# Altium PCB ALCT_MEZ_SPARTAN6T.PcbDoc (part 11 of 12)
Units mil, origin at the board's own origin, x right, y up, seen from the top; angles counter-clockwise.
Board outline 4100 x 5351.19 mil, 12 copper layers (Top Layer, Mid-Layer 1, +3V3, Mid-Layer 2, +1V2, Mid-Layer 4, +1V8, Mid-Layer 5, GND1, Mid-Layer 7, GND2, Bottom Layer), stack 64.7 mil thick; 320 components, 598 nets, 2316 pads, 1572 vias.
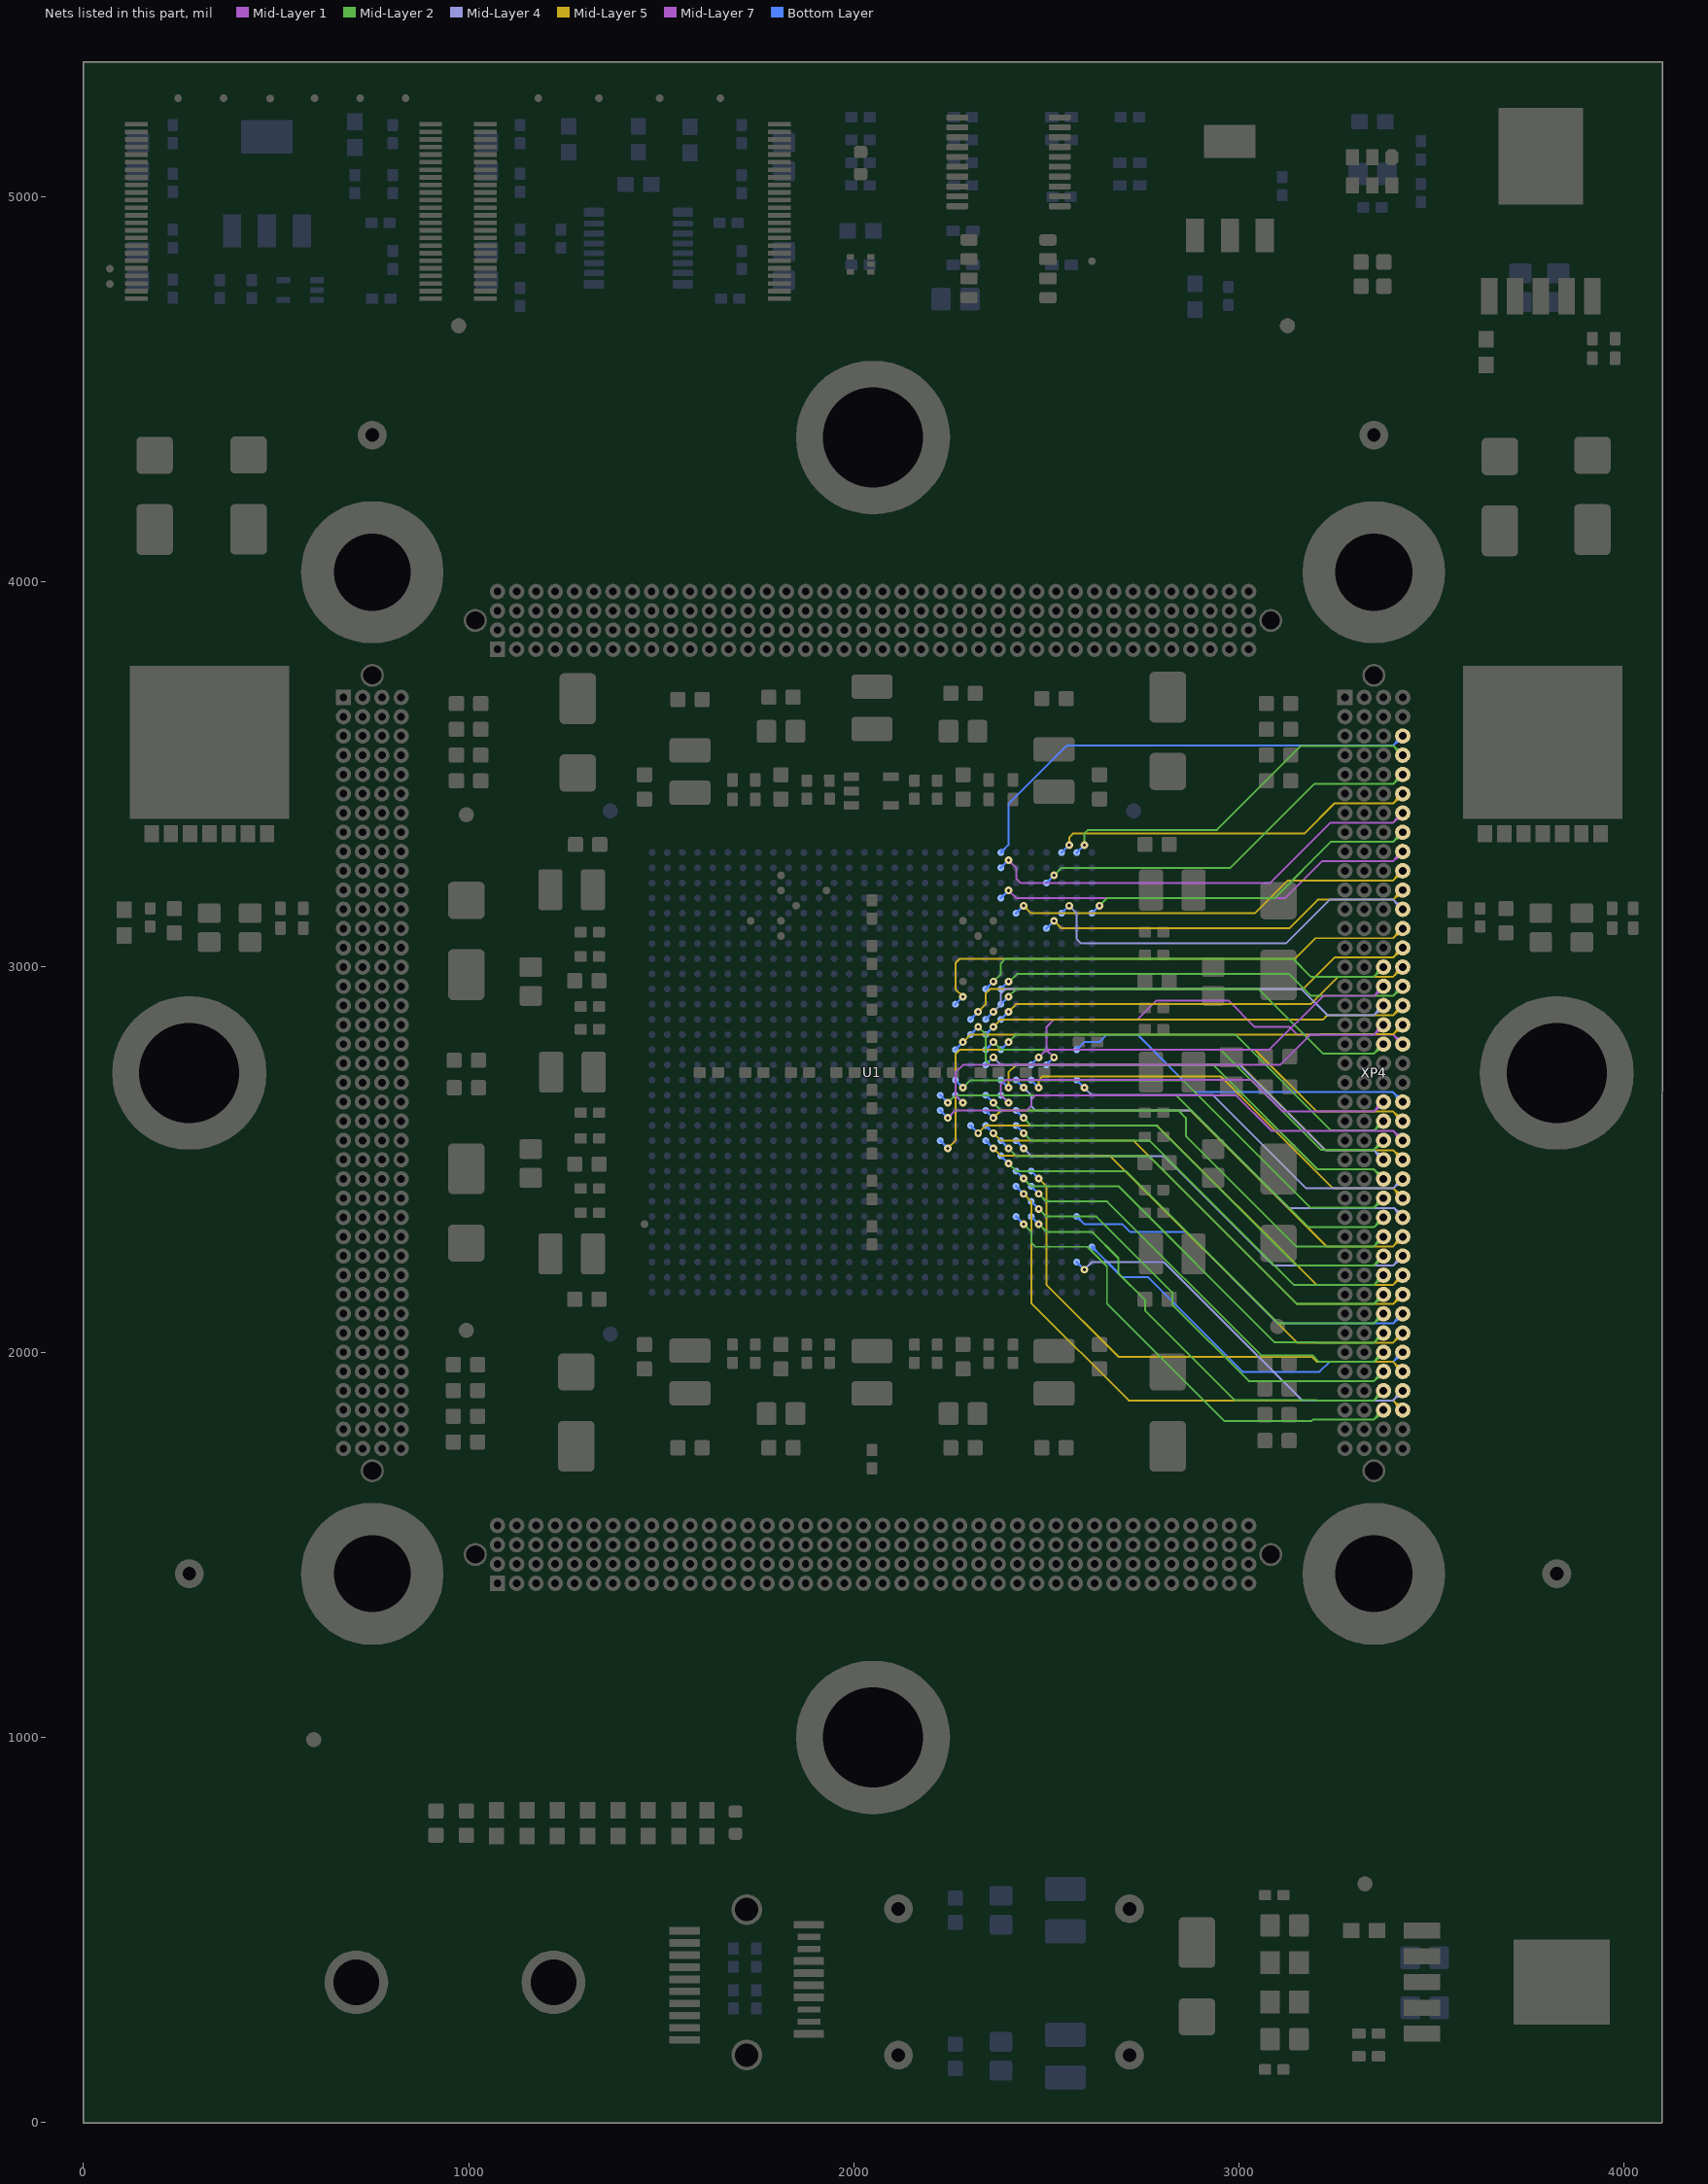
[diagram p21: the nets of this part, all layers, seen from the top]

## Via types
v1: diameter 20, hole 8, Top Layer to Bottom Layer, tented both sides, 1562 vias
v2: diameter 40, hole 20, Top Layer to Bottom Layer, 6 vias
v3: diameter 40, hole 20, Top Layer to Bottom Layer, tented both sides, 4 vias

## Nets (pads, with @x,y where several pads share a name; then routed paths per layer and width w, separated by ;. In a path a pad name is that pad's centre, name@x,y a point inside that pad or via, vN(x,y) a via of type N, cw(c..) or ccw(c..) an arc to the next point about the centre after c; other vN are vias at no path point) (continued)
XP4C_15: U1.H21 XP4.C15 | length 1277.6
  Mid-Layer 2 w5: v1(2362.21,2962.6) 2381.71,2982.1 2381.71,3009.67 2393.51,3021.48 3139.94,3021.48 3186.42,2975 3350,2975 XP4.C15@3375,3000 ; XP4.C15@3361.5,3000 cw(c3328.91,3000) 3351.95,2976.95 ; XP4.C15@3361.5,3000 cw(c3328.91,3000) 3351.96,2976.96 ; XP4.C15@3366.5,3000 cw(c3345.98,3000) 3360.49,2985.49 ; XP4.C15@3366.5,3000 cw(c3345.98,3000) 3360.49,2985.49 ; XP4.C15@3375,2986.5 ccw(c3375,2953.91) 3351.95,2976.95 ; XP4.C15@3375,2991.5 ccw(c3375,2970.98) 3360.49,2985.49 ; XP4.C15@3375,2986.5 ccw(c3375,2953.91) 3351.96,2976.96 ; XP4.C15@3375,2991.5 ccw(c3375,2970.98) 3360.49,2985.49
  Bottom Layer w6: U1.H21@2342.52,2942.91 v1(2362.21,2962.6)
XP4C_16: U1.E16 XP4.C16 | length 1171.2
  Mid-Layer 1 w5: v1(2480.33,2765.75) 2500.19,2785.6 3059.25,2785.6 ; 3052.95,2785.62 3059.25,2785.62 ; XP4.C16@3361.5,2949.98 cw(c3326.27,2949.91) 3351.18,2925 ; XP4.C16@3361.5,2949.98 cw(c3326.25,2949.93) 3351.18,2925 ; 3362.5,2936.32 cw(c3375,2923.81) XP4.C16@3375,2941.5 ; 3362.5,2936.33 cw(c3375,2923.83) XP4.C16@3375,2941.5 ; XP4.C16@3366.5,2949.98 cw(c3343.26,2949.94) 3359.69,2933.51 ccw(c3343.26,2949.96) XP4.C16@3366.5,2949.99 ; XP4.C16@3375,2936.5 ccw(c3375,2906.76) 3353.97,2927.79 cw(c3375,2906.74) XP4.C16@3375,2936.5 ; XP4.C16@3375,2948.82 3351.18,2925 ; 3059.25,2785.62 3079.12,2785.62 3218.5,2925 3351.18,2925
  Bottom Layer w6: U1.E16@2460.63,2746.06 v1(2480.33,2765.75)
XP4C_17: U1.H19 XP4.C17 | length 1286.4
  Mid-Layer 4 w5: v1(2362.2,2883.84) 2382.05,2903.69 2382.05,2931.25 2393.53,2942.73 3162.49,2942.73 3230.22,2875 3350,2875 XP4.C17@3375,2900 ; XP4.C17@3361.5,2900 cw(c3328.91,2900) 3351.95,2876.95 ; XP4.C17@3361.5,2900 cw(c3328.91,2900) 3351.96,2876.96 ; XP4.C17@3366.5,2900 cw(c3345.98,2900) 3360.49,2885.49 ; XP4.C17@3366.5,2900 cw(c3345.98,2900) 3360.49,2885.49 ; XP4.C17@3375,2886.5 ccw(c3375,2853.91) 3351.95,2876.95 ; XP4.C17@3375,2891.5 ccw(c3375,2870.98) 3360.49,2885.49 ; XP4.C17@3375,2886.5 ccw(c3375,2853.91) 3351.96,2876.96 ; XP4.C17@3375,2891.5 ccw(c3375,2870.98) 3360.49,2885.49
  Bottom Layer w6: U1.H19@2342.52,2864.17 v1(2362.2,2883.84)
XP4C_18: U1.K14 XP4.C18 | length 1443.5
  Mid-Layer 1 w5: v1@2283.16,2647.94 v1(2283.48,2647.63) 2263.98,2667.13 2263.98,2726.58 2283.46,2746.06 3106.82,2746.06 3185.75,2825 3351.18,2825 ; XP4.C18@3361.5,2849.98 cw(c3326.27,2849.91) 3351.18,2825 ; XP4.C18@3361.5,2849.98 cw(c3326.25,2849.93) 3351.18,2825 ; 3362.5,2836.32 cw(c3375,2823.81) XP4.C18@3375,2841.5 ; 3362.5,2836.33 cw(c3375,2823.83) XP4.C18@3375,2841.5 ; XP4.C18@3366.5,2849.98 cw(c3343.26,2849.94) 3359.69,2833.51 ccw(c3343.26,2849.96) XP4.C18@3366.5,2849.99 ; XP4.C18@3375,2836.5 ccw(c3375,2806.76) 3353.97,2827.79 cw(c3375,2806.74) XP4.C18@3375,2836.5 ; XP4.C18@3375,2848.82 3351.18,2825
  Bottom Layer w6: U1.K14@2263.79,2667.31 v1(2283.48,2647.63)
XP4C_19: U1.G20 XP4.C19 | length 1256
  Mid-Layer 2 w5: v1(2401.57,2923.19) 2421.12,2942.74 3051.18,2942.74 3218.92,2775 3350,2775 XP4.C19@3375,2800 ; XP4.C19@3361.5,2800 cw(c3328.91,2800) 3351.95,2776.95 ; XP4.C19@3361.5,2800 cw(c3328.91,2800) 3351.96,2776.96 ; XP4.C19@3366.5,2800 cw(c3345.98,2800) 3360.49,2785.49 ; XP4.C19@3366.5,2800 cw(c3345.98,2800) 3360.49,2785.49 ; XP4.C19@3375,2786.5 ccw(c3375,2753.91) 3351.95,2776.95 ; XP4.C19@3375,2791.5 ccw(c3375,2770.98) 3360.49,2785.49 ; XP4.C19@3375,2786.5 ccw(c3375,2753.91) 3351.96,2776.96 ; XP4.C19@3375,2791.5 ccw(c3375,2770.98) 3360.49,2785.49
  Bottom Layer w6: U1.G20@2381.89,2903.51 v1(2401.57,2923.19)
XP4C_22: U1.G14 XP4.C22 | length 1292.5
  Mid-Layer 1 w5: v1@2401.13,2648.07 v1(2401.58,2647.63) ; v1@2401.32,2648.26 2382.07,2667.5 2382.07,2695.07 2393.7,2706.69 3031.5,2706.69 3112.69,2625.5 3350.5,2625.5 XP4.C22@3375,2650 ; XP4.C22@3361.5,2650 cw(c3328.91,2650) 3351.95,2626.95 ; XP4.C22@3361.5,2650 cw(c3328.91,2650) 3351.96,2626.96 ; XP4.C22@3366.5,2650 cw(c3345.98,2650) 3360.49,2635.49 ; XP4.C22@3366.5,2650 cw(c3345.98,2650) 3360.49,2635.49 ; XP4.C22@3375,2636.5 ccw(c3375,2603.91) 3351.95,2626.95 ; XP4.C22@3375,2641.5 ccw(c3375,2620.98) 3360.49,2635.49 ; XP4.C22@3375,2648.82 XP4.C22@3375.59,2649.41 ; XP4.C22@3375,2636.5 ccw(c3375,2603.91) 3351.96,2626.96 ; XP4.C22@3375,2641.5 ccw(c3375,2620.98) 3360.49,2635.49
  Bottom Layer w6: U1.G14@2381.89,2667.31 v1(2401.58,2647.63)
XP4C_23: U1.G17 XP4.C23 | length 1289.7
  Mid-Layer 2 w5: v1(2401.58,2805.11) 2421.09,2824.62 2836.8,2824.62 2836.98,2824.8 2984.97,2824.8 2985.15,2824.62 2990.36,2824.62 3239.48,2575.5 3350.5,2575.5 XP4.C23@3375,2600 ; XP4.C23@3361.5,2600 cw(c3328.91,2600) 3351.95,2576.95 ; XP4.C23@3361.5,2600 cw(c3328.91,2600) 3351.96,2576.96 ; XP4.C23@3366.5,2600 cw(c3345.98,2600) 3360.49,2585.49 ; XP4.C23@3366.5,2600 cw(c3345.98,2600) 3360.49,2585.49 ; XP4.C23@3375,2586.5 ccw(c3375,2553.91) 3351.95,2576.95 ; XP4.C23@3375,2591.5 ccw(c3375,2570.98) 3360.49,2585.49 ; XP4.C23@3375,2586.5 ccw(c3375,2553.91) 3351.96,2576.96 ; XP4.C23@3375,2591.5 ccw(c3375,2570.98) 3360.49,2585.49
  Bottom Layer w6: U1.G17@2381.89,2785.43 v1(2401.58,2805.11)
XP4C_24: U1.H17 XP4.C24 | length 1333.9
  Mid-Layer 2 w5: v1(2362.21,2805.11) 2363.86,2805.11 2383.71,2785.26 2952.93,2785.26 3213.19,2525 3350,2525 XP4.C24@3375,2550 ; XP4.C24@3361.5,2550 cw(c3328.91,2550) 3351.95,2526.95 ; XP4.C24@3361.5,2550 cw(c3328.91,2550) 3351.96,2526.96 ; XP4.C24@3366.5,2550 cw(c3345.98,2550) 3360.49,2535.49 ; XP4.C24@3366.5,2550 cw(c3345.98,2550) 3360.49,2535.49 ; XP4.C24@3375,2536.5 ccw(c3375,2503.91) 3351.95,2526.95 ; XP4.C24@3375,2541.5 ccw(c3375,2520.98) 3360.49,2535.49 ; XP4.C24@3375,2536.5 ccw(c3375,2503.91) 3351.96,2526.96 ; XP4.C24@3375,2541.5 ccw(c3375,2520.98) 3360.49,2535.49
  Bottom Layer w6: U1.H17@2342.52,2785.43 v1(2362.21,2805.11)
XP4C_25: U1.H16 XP4.C25 | length 1317.6
  Mid-Layer 4 w5: v1(2362.21,2765.75) 2381.89,2746.06 3001.97,2746.06 3223.53,2524.5 3350.5,2524.5 XP4.C25@3375,2500 ; XP4.C25@3361.5,2500 ccw(c3328.91,2500) 3351.95,2523.05 ccw(c3375,2546.09) XP4.C25@3375,2513.5 ; XP4.C25@3361.5,2500 ccw(c3328.91,2500) 3351.96,2523.04 ccw(c3375,2546.09) XP4.C25@3375,2513.5 ; XP4.C25@3366.5,2500 ccw(c3345.98,2500) 3360.49,2514.51 ; XP4.C25@3366.5,2500 ccw(c3345.98,2500) 3360.49,2514.51 ; XP4.C25@3375,2508.5 cw(c3375,2529.02) 3360.49,2514.51 ; XP4.C25@3375,2508.5 cw(c3375,2529.02) 3360.49,2514.51
  Bottom Layer w6: U1.H16@2342.52,2746.06 v1(2362.21,2765.75)
XP4C_26: U1.J18 XP4.C26 | length 1449.5
  Mid-Layer 2 w5: v1(2322.84,2844.48) 2342.7,2824.62 2342.7,2795.28 2342.71,2757.67 2355.66,2744.72 2934.41,2744.72 3204.13,2475 3350,2475 XP4.C26@3375,2450 ; XP4.C26@3361.5,2450 ccw(c3328.91,2450) 3351.95,2473.05 ccw(c3375,2496.09) XP4.C26@3375,2463.5 ; XP4.C26@3361.5,2450 ccw(c3328.91,2450) 3351.96,2473.04 ccw(c3375,2496.09) XP4.C26@3375,2463.5 ; XP4.C26@3366.5,2450 ccw(c3345.98,2450) 3360.49,2464.51 ; XP4.C26@3366.5,2450 ccw(c3345.98,2450) 3360.49,2464.51 ; XP4.C26@3375,2458.5 cw(c3375,2479.02) 3360.49,2464.51 ; XP4.C26@3375,2458.5 cw(c3375,2479.02) 3360.49,2464.51
  Bottom Layer w6: U1.J18@2303.15,2824.8 v1(2322.84,2844.48)
XP4C_27: U1.K15 XP4.C27 | length 1442
  Mid-Layer 2 w5: v1(2283.48,2686.99) 2303,2706.52 2854.51,2706.52 3186.02,2375 3350,2375 XP4.C27@3375,2400 ; XP4.C27@3361.5,2400 cw(c3328.91,2400) 3351.95,2376.95 ; XP4.C27@3361.5,2400 cw(c3328.91,2400) 3351.96,2376.96 ; XP4.C27@3366.5,2400 cw(c3345.98,2400) 3360.49,2385.49 ; XP4.C27@3366.5,2400 cw(c3345.98,2400) 3360.49,2385.49 ; XP4.C27@3375,2386.5 ccw(c3375,2353.91) 3351.95,2376.95 ; XP4.C27@3375,2391.5 ccw(c3375,2370.98) 3360.49,2385.49 ; XP4.C27@3375,2386.5 ccw(c3375,2353.91) 3351.96,2376.96 ; XP4.C27@3375,2391.5 ccw(c3375,2370.98) 3360.49,2385.49
  Bottom Layer w6: U1.K15@2263.78,2706.69 v1(2283.48,2686.99)
XP4C_28: U1.L14 XP4.C28 | length 1490.4
  Mid-Layer 2 w5: v1@2244.09,2651.57 v1(2244.09,2647.63) 2263.61,2667.15 2353.97,2667.15 2354.08,2667.26 2370.34,2667.26 2370.45,2667.15 2836.99,2667.15 2836.99,2666.93 2875.78,2628.14 2876,2628.14 2895.87,2608.27 2895.87,2608.05 3023.42,2480.5 3023.63,2480.5 3179.13,2325 3351.18,2325 ; XP4.C28@3361.5,2349.98 cw(c3326.27,2349.91) 3351.18,2325 ; XP4.C28@3361.5,2349.98 cw(c3326.25,2349.93) 3351.18,2325 ; 3362.5,2336.32 cw(c3375,2323.81) XP4.C28@3375,2341.5 ; 3362.5,2336.33 cw(c3375,2323.83) XP4.C28@3375,2341.5 ; XP4.C28@3366.5,2349.98 cw(c3343.27,2349.94) 3359.69,2333.52 ccw(c3343.26,2349.96) XP4.C28@3366.5,2349.99 ; XP4.C28@3375,2336.5 ccw(c3375,2306.76) 3353.97,2327.79 cw(c3375,2306.74) XP4.C28@3375,2336.5 ; XP4.C28@3375,2350 3375,2348.82 3351.18,2325
  Bottom Layer w6: U1.L14@2224.41,2667.31 v1(2244.09,2647.63)
XP4C_29: U1.H14 XP4.C29 | length 1399.9
  Mid-Layer 2 w5: v1(2362.21,2647.63) 2382.06,2627.78 2842.71,2627.78 2862.22,2608.27 2862.22,2561.01 3148.23,2275 3350,2275 XP4.C29@3375,2300 ; XP4.C29@3361.5,2300 cw(c3328.91,2300) 3351.95,2276.95 ; XP4.C29@3361.5,2300 cw(c3328.91,2300) 3351.96,2276.96 ; XP4.C29@3366.5,2300 cw(c3345.98,2300) 3360.49,2285.49 ; XP4.C29@3366.5,2300 cw(c3345.98,2300) 3360.49,2285.49 ; XP4.C29@3375,2286.5 ccw(c3375,2253.91) 3351.95,2276.95 ; XP4.C29@3375,2291.5 ccw(c3375,2270.98) 3360.49,2285.49 ; XP4.C29@3375,2286.5 ccw(c3375,2253.91) 3351.96,2276.96 ; XP4.C29@3375,2291.5 ccw(c3375,2270.98) 3360.49,2285.49
  Bottom Layer w6: U1.H14@2342.53,2667.31 v1(2362.21,2647.63)
XP4C_30: U1.F13 XP4.C30 | length 1297.9
  Mid-Layer 2 w5: v1(2440.94,2608.26) 2460.8,2588.4 2785.61,2588.4 3149.02,2225 3350,2225 XP4.C30@3375,2250 ; XP4.C30@3361.5,2250 cw(c3328.91,2250) 3351.95,2226.95 ; XP4.C30@3361.5,2250 cw(c3328.91,2250) 3351.96,2226.96 ; XP4.C30@3366.5,2250 cw(c3345.98,2250) 3360.49,2235.49 ; XP4.C30@3366.5,2250 cw(c3345.98,2250) 3360.49,2235.49 ; XP4.C30@3375,2236.5 ccw(c3375,2203.91) 3351.95,2226.95 ; XP4.C30@3375,2241.5 ccw(c3375,2220.98) 3360.49,2235.49 ; XP4.C30@3375,2236.5 ccw(c3375,2203.91) 3351.96,2226.96 ; XP4.C30@3375,2241.5 ccw(c3375,2220.98) 3360.49,2235.49
  Bottom Layer w6: U1.F13@2421.26,2627.95 v1(2440.94,2608.26)
XP4C_31: U1.F12 XP4.C31 | length 1302.6
  Mid-Layer 2 w5: v1(2440.94,2568.89) 2460.8,2549.04 2767.88,2549.04 3141.91,2175 3351.18,2175 ; XP4.C31@3361.5,2199.98 cw(c3326.27,2199.91) 3351.18,2175 ; XP4.C31@3361.5,2199.98 cw(c3326.25,2199.93) 3351.18,2175 ; 3362.5,2186.32 cw(c3375,2173.81) XP4.C31@3375,2191.5 ; 3362.5,2186.33 cw(c3375,2173.83) XP4.C31@3375,2191.5 ; XP4.C31@3366.5,2199.98 cw(c3343.27,2199.94) 3359.69,2183.52 ccw(c3343.26,2199.96) XP4.C31@3366.5,2199.99 ; XP4.C31@3375,2186.5 ccw(c3375,2156.76) 3353.97,2177.79 cw(c3375,2156.74) XP4.C31@3375,2186.5 ; XP4.C31@3375,2200 3375,2198.82 3351.18,2175
  Bottom Layer w6: U1.F12@2421.26,2588.58 v1(2440.94,2568.89)
XP4C_32: U1.G11 XP4.C32 | length 1346
  Mid-Layer 2 w5: v1(2401.58,2529.53) 2421.44,2509.67 2765.75,2509.67 3150.41,2125 3350,2125 XP4.C32@3375,2150 ; XP4.C32@3361.5,2150 cw(c3328.91,2150) 3351.95,2126.95 ; XP4.C32@3361.5,2150 cw(c3328.91,2150) 3351.96,2126.96 ; XP4.C32@3366.5,2150 cw(c3345.98,2150) 3360.49,2135.49 ; XP4.C32@3366.5,2150 cw(c3345.98,2150) 3360.49,2135.49 ; XP4.C32@3375,2136.5 ccw(c3375,2103.91) 3351.95,2126.95 ; XP4.C32@3375,2141.5 ccw(c3375,2120.98) 3360.49,2135.49 ; XP4.C32@3375,2136.5 ccw(c3375,2103.91) 3351.96,2126.96 ; XP4.C32@3375,2141.5 ccw(c3375,2120.98) 3360.49,2135.49
  Bottom Layer w6: U1.G11@2381.89,2549.21 v1(2401.58,2529.53)
XP4C_33: U1.G10 XP4.C33 | length 1350.5
  Mid-Layer 2 w5: v1(2401.58,2490.14) 2421.43,2470.3 2432.7,2470.3 2432.81,2470.41 2449.08,2470.41 2449.19,2470.3 2706.87,2470.3 3102.16,2075 3350,2075 XP4.C33@3375,2100 ; XP4.C33@3361.5,2100 cw(c3328.91,2100) 3351.95,2076.95 ; XP4.C33@3361.5,2100 cw(c3328.91,2100) 3351.96,2076.96 ; XP4.C33@3366.5,2100 cw(c3345.98,2100) 3360.49,2085.49 ; XP4.C33@3366.5,2100 cw(c3345.98,2100) 3360.49,2085.49 ; XP4.C33@3375,2086.5 ccw(c3375,2053.91) 3351.95,2076.95 ; XP4.C33@3375,2091.5 ccw(c3375,2070.98) 3360.49,2085.49 ; XP4.C33@3375,2086.5 ccw(c3375,2053.91) 3351.96,2076.96 ; XP4.C33@3375,2091.5 ccw(c3375,2070.98) 3360.49,2085.49
  Bottom Layer w6: U1.G10@2381.89,2509.84 v1(2401.58,2490.14)
XP4C_34: U1.F9 XP4.C34 | length 1315.5
  Mid-Layer 2 w5: v1(2440.94,2450.78) 2460.8,2430.92 2687.19,2430.92 3092.79,2025.32 3200,2025.32 3200.32,2025 3350,2025 XP4.C34@3375,2050 ; XP4.C34@3361.5,2050 cw(c3328.91,2050) 3351.95,2026.95 ; XP4.C34@3361.5,2050 cw(c3328.91,2050) 3351.96,2026.96 ; XP4.C34@3366.5,2050 cw(c3345.98,2050) 3360.49,2035.49 ; XP4.C34@3366.5,2050 cw(c3345.98,2050) 3360.49,2035.49 ; XP4.C34@3375,2036.5 ccw(c3375,2003.91) 3351.95,2026.95 ; XP4.C34@3375,2041.5 ccw(c3375,2020.98) 3360.49,2035.49 ; XP4.C34@3375,2036.5 ccw(c3375,2003.91) 3351.96,2026.96 ; XP4.C34@3375,2041.5 ccw(c3375,2020.98) 3360.49,2035.49
  Bottom Layer w6: U1.F9@2421.26,2470.47 v1(2440.94,2450.78)
XP4C_35: U1.E8 XP4.C35 | length 1280.5
  Mid-Layer 2 w5: v1(2480.33,2411.41) 2500.18,2391.56 2657.66,2391.56 3057.09,1992.13 3190.92,1992.13 3207.72,1975.32 3225,1975.32 3225.32,1975 3350,1975 XP4.C35@3375,2000 ; XP4.C35@3361.5,2000 cw(c3328.91,2000) 3351.95,1976.95 ; XP4.C35@3361.5,2000 cw(c3328.91,2000) 3351.96,1976.96 ; XP4.C35@3366.5,2000 cw(c3345.98,2000) 3360.49,1985.49 ; XP4.C35@3366.5,2000 cw(c3345.98,2000) 3360.49,1985.49 ; XP4.C35@3375,1986.5 ccw(c3375,1953.91) 3351.95,1976.95 ; XP4.C35@3375,1991.5 ccw(c3375,1970.98) 3360.49,1985.49 ; XP4.C35@3375,1986.5 ccw(c3375,1953.91) 3351.96,1976.96 ; XP4.C35@3375,1991.5 ccw(c3375,1970.98) 3360.49,1985.49
  Bottom Layer w6: U1.E8@2460.63,2431.1 v1(2480.33,2411.41)
XP4C_36: U1.E7 XP4.C36 | length 1303.3
  Mid-Layer 2 w5: v1(2480.33,2372.04) 2500.19,2352.19 2630.08,2352.19 2826.94,2155.33 2826.94,2123.85 3025.47,1925.32 3200,1925.32 3200.32,1925 3350,1925 XP4.C36@3375,1950 ; XP4.C36@3361.5,1950 cw(c3328.91,1950) 3351.95,1926.95 ; XP4.C36@3361.5,1950 cw(c3328.91,1950) 3351.96,1926.96 ; XP4.C36@3366.5,1950 cw(c3345.98,1950) 3360.49,1935.49 ; XP4.C36@3366.5,1950 cw(c3345.98,1950) 3360.49,1935.49 ; XP4.C36@3375,1936.5 ccw(c3375,1903.91) 3351.95,1926.95 ; XP4.C36@3375,1941.5 ccw(c3375,1920.98) 3360.49,1935.49 ; XP4.C36@3375,1936.5 ccw(c3375,1903.91) 3351.96,1926.96 ; XP4.C36@3375,1941.5 ccw(c3375,1920.98) 3360.49,1935.49
  Bottom Layer w6: U1.E7@2460.63,2391.73 v1(2480.33,2372.04)
XP4C_37: U1.E6 XP4.C37 | length 1328.5
  Mid-Layer 2 w5: v1(2480.33,2332.68) 2500.19,2312.82 2618.29,2312.82 2687.01,2244.09 2687.01,2204.72 2755.91,2135.83 2755.91,2108.25 2988.84,1875.32 3200,1875.32 3200.32,1875 3350,1875 XP4.C37@3375,1900 ; XP4.C37@3361.5,1900 cw(c3328.91,1900) 3351.95,1876.95 ; XP4.C37@3361.5,1900 cw(c3328.91,1900) 3351.96,1876.96 ; XP4.C37@3366.5,1900 cw(c3345.98,1900) 3360.49,1885.49 ; XP4.C37@3366.5,1900 cw(c3345.98,1900) 3360.49,1885.49 ; XP4.C37@3375,1886.5 ccw(c3375,1853.91) 3351.95,1876.95 ; XP4.C37@3375,1891.5 ccw(c3375,1870.98) 3360.49,1885.49 ; XP4.C37@3375,1886.5 ccw(c3375,1853.91) 3351.96,1876.96 ; XP4.C37@3375,1891.5 ccw(c3375,1870.98) 3360.49,1885.49
  Bottom Layer w6: U1.E6@2460.63,2352.36 v1(2480.33,2332.68)
XP4C_38: U1.F6 XP4.C38 | length 1425.3
  Mid-Layer 2 w5: v1(2440.94,2332.68) 2460.83,2312.79 2460.83,2285.22 2472.26,2273.79 2606.15,2273.79 2657.3,2222.64 2657.3,2126.17 2962.41,1821.05 3187.21,1821.05 3191.16,1825 3350,1825 XP4.C38@3375,1850 ; XP4.C38@3361.5,1850 cw(c3328.91,1850) 3351.95,1826.95 ; XP4.C38@3361.5,1850 cw(c3328.91,1850) 3351.96,1826.96 ; XP4.C38@3366.5,1850 cw(c3345.98,1850) 3360.49,1835.49 ; XP4.C38@3366.5,1850 cw(c3345.98,1850) 3360.49,1835.49 ; XP4.C38@3375,1836.5 ccw(c3375,1803.91) 3351.95,1826.95 ; XP4.C38@3375,1841.5 ccw(c3375,1820.98) 3360.49,1835.49 ; XP4.C38@3375,1836.5 ccw(c3375,1803.91) 3351.96,1826.96 ; XP4.C38@3375,1841.5 ccw(c3375,1820.98) 3360.49,1835.49
  Bottom Layer w6: U1.F6@2421.26,2352.36 v1(2440.94,2332.68)
XP4D_3: U1.G30 XP4.D3 | length 1422.2
  Bottom Layer w5: U1.G30@2381.89,3297.24 2401.57,3316.93 2401.57,3423.25 2553.83,3575.5 3208.66,3575.5 3209.16,3575 3400,3575 XP4.D3@3425,3600 ; U1.G30@2381.89,3303.6 ccw(c2381.89,3318.95) 2392.74,3308.1 ccw(c2403.6,3297.24) U1.G30@2388.25,3297.24 ; XP4.D3@3411.5,3600 cw(c3378.9,3600) 3401.95,3576.95 ; XP4.D3@3411.5,3600 cw(c3378.91,3600) 3401.96,3576.96 ; XP4.D3@3416.5,3600 cw(c3395.98,3600) 3410.49,3585.49 ; XP4.D3@3416.5,3600 cw(c3395.98,3600) 3410.49,3585.49 ; XP4.D3@3425,3586.5 ccw(c3425,3553.91) 3401.95,3576.95 ; XP4.D3@3425,3591.5 ccw(c3425,3570.98) 3410.49,3585.49 ; XP4.D3@3425,3586.5 ccw(c3425,3553.91) 3401.96,3576.96 ; XP4.D3@3425,3591.5 ccw(c3425,3570.98) 3410.49,3585.49
XP4D_4: U1.B30 XP4.D4 | length 1155.4
  Mid-Layer 2 w5: v1(2598.43,3316.93) 2598.43,3346.46 2608.27,3356.3 2942.91,3356.3 3161.11,3574.5 3400.5,3574.5 XP4.D4@3425,3550 ; XP4.D4@3411.5,3550 ccw(c3378.91,3550) 3401.95,3573.05 ccw(c3425,3596.09) XP4.D4@3425,3563.5 ; XP4.D4@3411.5,3550 ccw(c3378.91,3550) 3401.96,3573.04 ccw(c3425,3596.09) XP4.D4@3425,3563.5 ; XP4.D4@3416.5,3550 ccw(c3395.98,3550) 3410.49,3564.51 ; XP4.D4@3416.5,3550 ccw(c3395.98,3550) 3410.49,3564.51 ; XP4.D4@3425,3558.5 cw(c3425,3579.02) 3410.49,3564.51 ; XP4.D4@3425,3558.5 cw(c3425,3579.02) 3410.49,3564.51
  Bottom Layer w6: U1.B30@2578.74,3297.24 v1(2598.43,3316.93)
XP4D_5: U1.D28 XP4.D5 | length 1208.4
  Mid-Layer 2 w5: v1(2519.68,3238.19) 2539.37,3257.87 2977.5,3257.87 3195.13,3475.5 3400.5,3475.5 XP4.D5@3425,3500 ; XP4.D5@3411.5,3500 cw(c3378.91,3500) 3401.95,3476.95 ; XP4.D5@3411.5,3500 cw(c3378.91,3500) 3401.96,3476.96 ; XP4.D5@3416.5,3500 cw(c3395.98,3500) 3410.49,3485.49 ; XP4.D5@3416.5,3500 cw(c3395.98,3500) 3410.49,3485.49 ; XP4.D5@3425,3486.5 ccw(c3425,3453.91) 3401.95,3476.95 ; XP4.D5@3425,3491.5 ccw(c3425,3470.98) 3410.49,3485.49 ; XP4.D5@3425,3486.5 ccw(c3425,3453.91) 3401.96,3476.96 ; XP4.D5@3425,3491.5 ccw(c3425,3470.98) 3410.49,3485.49
  Bottom Layer w6: U1.D28@2500,3218.5 v1(2519.68,3238.19)
XP4D_6: U1.C30 XP4.D6 | length 1127.3
  Mid-Layer 5 w5: v1(2559.06,3316.93) 2559.06,3336.61 2568.9,3346.46 3169.29,3346.46 3248.03,3425.2 3400.2,3425.2 XP4.D6@3425,3450 ; XP4.D6@3411.5,3450 cw(c3378.91,3450) 3401.95,3426.95 ; XP4.D6@3411.5,3450 cw(c3378.91,3450) 3401.96,3426.96 ; XP4.D6@3416.5,3450 cw(c3395.98,3450) 3410.49,3435.49 ; XP4.D6@3416.5,3450 cw(c3395.98,3450) 3410.49,3435.49 ; XP4.D6@3425,3436.5 ccw(c3425,3403.91) 3401.95,3426.95 ; XP4.D6@3425,3441.5 ccw(c3425,3420.98) 3410.49,3435.49 ; XP4.D6@3425,3436.5 ccw(c3425,3403.91) 3401.96,3426.96 ; XP4.D6@3425,3441.5 ccw(c3425,3420.98) 3410.49,3435.49
  Bottom Layer w6: U1.C30@2539.37,3297.24 v1(2559.06,3316.93)
XP4D_7: U1.G29 XP4.D7 | length 1338.5
  Mid-Layer 7 w5: v1(2401.57,3277.56) 2421.44,3257.7 2421.44,3230.11 2432.86,3218.69 3080.89,3218.69 3237.2,3375 3400,3375 XP4.D7@3425,3400 ; XP4.D7@3411.5,3400 cw(c3378.91,3400) 3401.95,3376.95 ; XP4.D7@3411.5,3400 cw(c3378.91,3400) 3401.96,3376.96 ; XP4.D7@3416.5,3400 cw(c3395.98,3400) 3410.49,3385.49 ; XP4.D7@3416.5,3400 cw(c3395.98,3400) 3410.49,3385.49 ; XP4.D7@3425,3386.5 ccw(c3425,3353.91) 3401.95,3376.95 ; XP4.D7@3425,3391.5 ccw(c3425,3370.98) 3410.49,3385.49 ; XP4.D7@3425,3386.5 ccw(c3425,3353.91) 3401.96,3376.96 ; XP4.D7@3425,3391.5 ccw(c3425,3370.98) 3410.49,3385.49
  Bottom Layer w6: U1.G29@2381.89,3257.87 v1@2404.91,3280.88
XP4D_8: U1.A26 XP4.D8 | length 1064.6
  Mid-Layer 2 w5: v1(2637.8,3159.45) 2657.48,3179.13 3092.32,3179.13 3238.19,3325 3400,3325 XP4.D8@3425,3350 XP4.D8@3425,3346.26 ; XP4.D8@3411.5,3350 cw(c3378.91,3350) 3401.95,3326.95 ; XP4.D8@3411.5,3350 cw(c3378.91,3350) 3401.96,3326.96 ; XP4.D8@3416.5,3350 cw(c3395.98,3350) 3410.49,3335.49 ; XP4.D8@3416.5,3350 cw(c3395.98,3350) 3410.49,3335.49 ; XP4.D8@3425,3336.5 ccw(c3425,3303.91) 3401.95,3326.95 ; XP4.D8@3425,3341.5 ccw(c3425,3320.98) 3410.49,3335.49 ; XP4.D8@3425,3336.5 ccw(c3425,3303.91) 3401.96,3326.96 ; XP4.D8@3425,3341.5 ccw(c3425,3320.98) 3410.49,3335.49
  Bottom Layer w6: U1.A26@2618.11,3139.76 v1(2637.8,3159.45)